# Altium PCB PCB4191.PcbDoc (part 3 of 4) (continued)
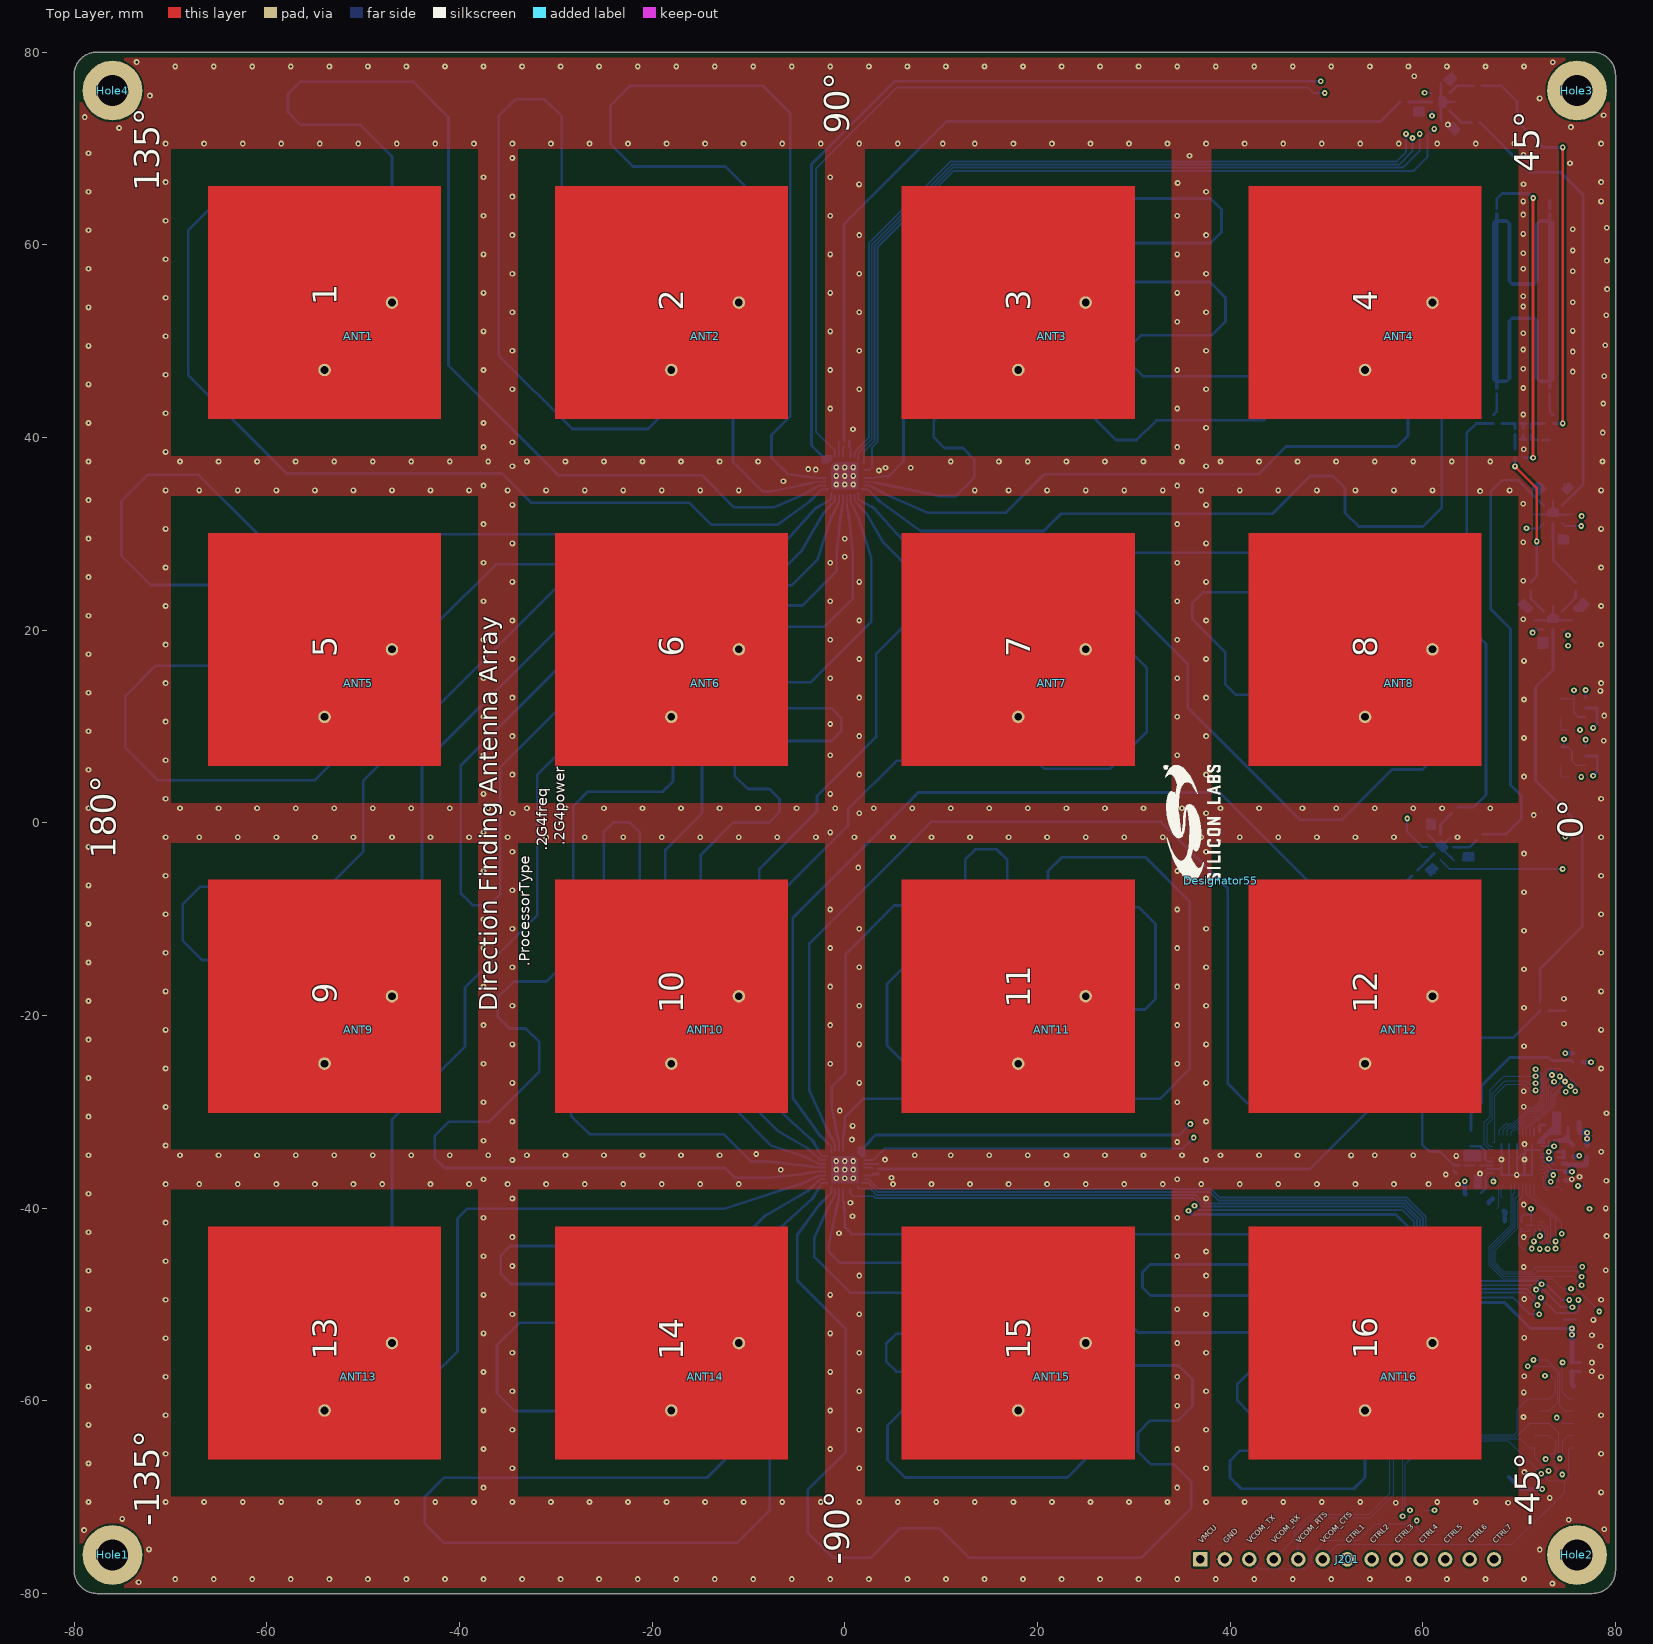
[diagram p0: Top Layer view]
## Nets (pads, with @x,y where several pads share a name; then routed paths per layer and width w, separated by ;. In a path a pad name is that pad's centre, name@x,y a point inside that pad or via, vN(x,y) a via of type N, cw(c..) or ccw(c..) an arc to the next point about the centre after c; other vN are vias at no path point) (continued)
-45.792,-17.476 -9.792,-17.476 26.208,-17.476 64.987,-17.42 0.812,-17.382 -43.163,-17.357 -40.137,-17.349 53.965,-17.322 72.908,-17.294 57.238,-17.288 59.338,-17.288 -25.513,-17.246 3.663,-17.231 -8.163,-17.195 -33.554,-17.187 -31.454,-17.187 29.012,-17.132 60.009,-17.137 40.462,-17.051 -15.706,-17.011 -38.297,-16.979 -20.563,-16.906 31.538,-16.866 36.512,-16.87 16.163,-16.848 45.627,-16.812 47.727,-16.812 49.827,-16.812 51.927,-16.812 -35.692,-16.809 61.484,-16.787 27.588,-16.741 -47.082,-16.68 -11.082,-16.68 24.918,-16.68 -9.587,-16.623 11.788,-16.587 55.255,-16.597 -0.612,-16.457 62.945,-16.477 -21.987,-16.365 -26.627,-16.345 -11.689,-16.304 -18.472,-16.26 -6.413,-16.169 -29.633,-16.141 -13.877,-16.13 32.962,-16.11 35.088,-16.109 22.171,-16.078 -4.687,-16.037 -2.962,-16.044 71.483,-15.975 -48.059,-15.934 6.229,-15.903 -50.157,-15.85 13.212,-15.807 43.781,-15.813 -33.871,-15.763 -31.771,-15.763 -38.949,-15.617 39.038,-15.542 64.032,-15.55 -24.313,-15.523 -17.191,-15.526 -36.812,-15.495 17.587,-15.478 -44.587,-15.398 4.708,-15.409 47.238,-15.388 49.338,-15.388 51.438,-15.388 53.538,-15.388 0.812,-15.282 -43.163,-15.257 73.127,-15.206 45.15,-15.167 -8.163,-15.095 29.012,-15.032 61.46,-14.992 -64.661,-14.962 -62.561,-14.962 -60.461,-14.962 -58.361,-14.962 -56.261,-14.962 -54.161,-14.962 -52.061,-14.962 -66.76,-14.95 40.462,-14.951 -20.563,-14.806 -13.174,-14.819 23.537,-14.789 31.538,-14.766 36.512,-14.77 16.163,-14.748 -28.148,-14.656 -15.362,-14.645 27.588,-14.641 -30.057,-14.549 -9.587,-14.523 11.788,-14.487 -49.544,-14.449 -25.737,-14.443 7.714,-14.418 -19.337,-14.347 -0.612,-14.357 -21.987,-14.265 -37.464,-14.132 -6.413,-14.069 62.547,-14.065 72.284,-14.034 -35.327,-14.01 32.962,-14.01 35.088,-14.009 22.113,-13.979 -2.962,-13.944 -4.687,-13.937 6.193,-13.924 42.913,-13.901 74.612,-13.721 13.212,-13.707 -68.364,-13.594 -66.136,-13.538 -64.036,-13.538 -61.936,-13.538 -59.836,-13.538 -57.736,-13.538 -55.636,-13.538 -53.536,-13.538 -51.436,-13.538 -17.913,-13.554 59.975,-13.507 39.038,-13.442 -24.313,-13.423 17.587,-13.378 -44.587,-13.298 1.432,-13.275 44.337,-13.231 -43.163,-13.157 -14.238,-13.008 -8.163,-12.995 28.733,-12.951 9.199,-12.934 24.457,-12.901 40.462,-12.851 -28.887,-12.805 26.555,-12.812 -20.563,-12.706 -27.463,-12.671 36.512,-12.67 -35.98,-12.647 16.163,-12.648 31.538,-12.666 61.062,-12.58 -15.662,-12.567 73.769,-12.549 -33.842,-12.525 0.25,-12.443 -9.587,-12.423 7.678,-12.44 11.788,-12.387 -25.737,-12.343 -19.337,-12.247 76.097,-12.236 -67.749,-12.193 46.174,-12.212 -21.987,-12.165 23.175,-12.167 58.49,-12.022 -2.15,-12.008 -6.413,-11.969 32.962,-11.91 35.088,-11.909 43.564,-11.904 -4.018,-11.861 -4.687,-11.837 48.241,-11.842 -69.437,-11.789 2.917,-11.79 13.212,-11.607 27.223,-11.492 -17.913,-11.454 25.125,-11.388 39.038,-11.342 -24.313,-11.323 17.587,-11.278 -44.587,-11.198 59.577,-11.095 -43.163,-11.057 75.254,-11.064 -32.357,-11.04 -14.238,-10.908 -8.163,-10.895 9.462,-10.85 45.342,-10.788 40.462,-10.751 -28.887,-10.705 47.437,-10.631 -20.563,-10.606 -27.463,-10.571 31.32,-10.577 36.512,-10.57 16.163,-10.548 57.005,-10.537 -0.665,-10.523 -15.662,-10.467 77.253,-10.483 -2.533,-10.376 8.038,-10.371 49.726,-10.357 -9.587,-10.323 4.402,-10.305 11.788,-10.287 -25.737,-10.243 -19.337,-10.147 -68.013,-10.11 -21.987,-10.065 -6.413,-9.869 32.599,-9.842 35.088,-9.809 -4.292,-9.774 -69.437,-9.689 -33.01,-9.677 58.092,-9.61 13.212,-9.507 3.22,-9.473 23.225,-9.487 25.325,-9.487 27.425,-9.487 29.525,-9.487 -17.913,-9.354 -31.213,-9.279 6.239,-9.287 39.038,-9.242 -38.776,-9.237 -24.313,-9.223 -36.677,-9.206 17.587,-9.178 -44.587,-9.098 0.82,-9.038 75.829,-9.044 -43.163,-8.957 8.63,-8.922 48.613,-8.891 -14.238,-8.808 -8.163,-8.795 40.462,-8.651 -28.887,-8.605 56.388,-8.53 -20.563,-8.506 -27.463,-8.471 21.397,-8.454 36.512,-8.47 16.163,-8.448 77.253,-8.383 -15.662,-8.367 31.114,-8.357 -2.807,-8.289 50.037,-8.28 -9.587,-8.223 11.788,-8.187 -25.737,-8.143 -4.656,-8.124 -67.357,-8.115 24.835,-8.063 26.935,-8.063 29.035,-8.063 -19.337,-8.047 4.721,-8.004 -21.987,-7.965 -40.355,-7.852 6.817,-7.863 -37.392,-7.838 22.752,-7.795 34.432,-7.814 -6.131,-7.788 -35.161,-7.752 -68.913,-7.656 -32.637,-7.611 2.304,-7.553 57.862,-7.523 0.437,-7.406 13.212,-7.407 -65.407,-7.337 -63.307,-7.337 -61.207,-7.337 -59.107,-7.337 -57.007,-7.337 -54.907,-7.337 -17.913,-7.254 -31.213,-7.179 39.038,-7.142 -24.313,-7.123 17.587,-7.078 -44.587,-6.998 75.829,-6.944 47.925,-6.907 -52.855,-6.889 -43.163,-6.857 -1.322,-6.804 -14.238,-6.708 35.352,-6.72 -8.163,-6.695 -39.138,-6.67 -6.983,-6.625 -3.171,-6.639 20.388,-6.613 40.396,-6.553 -28.887,-6.505 56.881,-6.489 -20.563,-6.406 -27.463,-6.371 16.163,-6.348 32.947,-6.329 -4.646,-6.303 49.334,-6.301 77.253,-6.283 -15.662,-6.267 -67.428,-6.171 -9.587,-6.123 59.45,-6.1 3.789,-6.068 11.788,-6.087 -25.737,-6.043 -36.462,-5.955 -19.337,-5.947 1.922,-5.921 21.812,-5.917 -65.344,-5.913 -63.244,-5.913 -61.144,-5.913 -59.044,-5.913 -56.944,-5.913 -54.844,-5.913 -21.987,-5.865 -40.562,-5.762 -35.038,-5.655 37.564,-5.646 -32.637,-5.511 65.581,-5.469 68.681,-5.469 71.781,-5.469 46.44,-5.422 -51.37,-5.404 62.482,-5.384 0.163,-5.319 13.212,-5.307 33.867,-5.235 -17.913,-5.154 -1.686,-5.154 -5.498,-5.14 -31.213,-5.079 -24.313,-5.023 38.956,-5.024 -52.962,-4.981 17.587,-4.978 58.2,-4.925 -44.587,-4.898 31.462,-4.844 75.829,-4.844 -3.161,-4.819 47.849,-4.816 -43.163,-4.757 -7.712,-4.644 -14.238,-4.608 -39.138,-4.57 5.274,-4.583 20.595,-4.523 3.407,-4.436 -28.887,-4.405 -20.563,-4.306 -27.463,-4.271 23.137,-4.287 25.237,-4.287 27.337,-4.287 29.437,-4.287 16.163,-4.248 -15.662,-4.167 36.079,-4.161 77.253,-4.183 68.417,-4.131 71.517,-4.131 -9.151,-4.069 11.788,-3.987 -25.737,-3.943 44.955,-3.937 -49.885,-3.919 -36.462,-3.855 -19.337,-3.847 1.648,-3.835 74.701,-3.843 -21.987,-3.765 32.382,-3.75 -40.562,-3.662 -4.013,-3.656 -0.201,-3.669 -35.038,-3.555 59.851,-3.519 -51.477,-3.496 14.215,-3.462 -32.637,-3.411 -1.676,-3.334 46.364,-3.332 -6.227,-3.159 6.759,-3.098 -17.848,-3.055 22.087,-3.044 -31.213,-2.979 4.892,-2.951 16.996,-2.963 -24.313,-2.923 24.179,-2.863 26.279,-2.863 28.379,-2.863 30.479,-2.863 -44.587,-2.798 75.829,-2.744 -13.332,-2.714 34.594,-2.676 -43.163,-2.657 -7.667,-2.584 65.925,-2.55 -39.138,-2.47 43.47,-2.452 3.133,-2.35 -28.887,-2.305 13.026,-2.291 -20.563,-2.206 -14.859,-2.227 1.284,-2.184 -27.463,-2.171 -2.528,-2.171 77.253,-2.083 35.986,-2.054 15.111,-2.038 -49.263,-1.913 67.924,-1.901 -25.737,-1.843 -0.191,-1.849 -36.462,-1.755 -4.742,-1.674 -21.987,-1.665 8.244,-1.613 -16.363,-1.57 -40.562,-1.562 6.376,-1.466 64.875,-1.375 -32.637,-1.311 -11.847,-1.229 -6.182,-1.099 69.817,-0.991 41.985,-0.968 -31.213,-0.879 4.618,-0.865 -23.926,-0.859 -13.374,-0.742 -44.587,-0.698 -9.818,-0.687 2.769,-0.699 -7.718,-0.661 75.715,-0.647 10.09,-0.612 12.19,-0.612 14.29,-0.612 16.39,-0.612 18.49,-0.612 20.59,-0.612 22.69,-0.612 24.79,-0.612 26.89,-0.612 28.99,-0.612 31.09,-0.612 -43.163,-0.557 34.501,-0.569 66.839,-0.477 48.098,-0.387 50.198,-0.387 -39.138,-0.37 -17.18,-0.372 43.394,-0.362 -28.887,-0.205 -21.094,-0.174 -3.257,-0.189 1.062,-0.164 -14.878,-0.085 -27.463,-0.071 52.265,-0.017 7.861,0.019 77.064,0.008 68.866,0.073 -24.97,0.112 -49.263,0.187 -36.462,0.345 -4.697,0.386 46.149,0.394 -40.562,0.538 40.5,0.517 -50.687,0.55 6.103,0.62 -11.834,0.686 -9.735,0.737 -22.974,0.762 -6.166,0.754 -32.637,0.789 4.254,0.786 9.806,0.812 11.906,0.812 14.006,0.812 16.106,0.812 18.206,0.812 20.306,0.812 22.406,0.812 24.506,0.812 26.606,0.812 28.706,0.812 30.806,0.812 32.906,0.796 74.23,0.837 65.215,0.928 50.09,1.037 -15.695,1.112 41.909,1.123 -7.686,1.197 -31.213,1.221 -0.362,1.301 53.75,1.468 75.584,1.498 -43.163,1.543 -2.163,1.603 -39.138,1.73 52.053,1.785 1.752,1.82 -14.113,1.87 44.664,1.879 -26.951,1.966 69.513,2.071 7.588,2.105 -3.587,2.169 66.873,2.216 -49.263,2.287 5.739,2.271 46.289,2.268 72.745,2.322 64.554,2.352 9.661,2.438 11.761,2.438 13.861,2.438 15.961,2.438 18.061,2.438 20.161,2.438 22.261,2.438 24.361,2.438 26.461,2.438 28.561,2.438 30.661,2.438 32.761,2.438 34.861,2.438 36.961,2.438 -36.462,2.445 -24.924,2.513 -22.824,2.513 -20.724,2.513 -18.625,2.58 40.424,2.608 -40.562,2.638 -50.687,2.65 -35.038,2.745 -9.056,2.788 -6.188,2.854 -32.637,2.889 70.915,2.885 55.235,2.953 0.898,2.981 74.099,2.983 -15.537,3.207 53.538,3.27 3.237,3.305 -31.213,3.321 43.179,3.364 -27.466,3.466 -11.038,3.481 -44.587,3.502 -43.163,3.643 -69.571,3.713 -67.471,3.713 -65.371,3.713 -63.271,3.713 -61.171,3.713 -59.071,3.713 -56.971,3.713 -54.871,3.738 7.244,3.735 44.804,3.753 -71.668,3.814 71.26,3.807 -39.138,3.83 9.34,3.862 11.44,3.862 13.54,3.862 15.64,3.862 17.74,3.862 19.84,3.862 21.94,3.862 24.04,3.862 26.14,3.862 28.24,3.862 30.34,3.862 32.44,3.862 34.54,3.862 36.64,3.862 38.74,3.862 68.398,3.85 -25.419,3.937 -23.319,3.937 -21.219,3.937 -14.113,3.97 -19.121,4.012 65.838,4.015 -2.623,4.034 -17.157,4.082 -7.791,4.21 67.262,4.28 -9.886,4.344 -48.976,4.367 56.72,4.438 2.383,4.465 72.614,4.468 -36.462,4.545 69.812,4.672 -50.567,4.747 -40.562,4.738 55.022,4.755 4.722,4.789 58.786,4.813 41.694,4.849 22.014,4.888 24.114,4.888 26.214,4.888 0.302,4.945 -32.629,4.989 -53.293,5.124 -70.703,5.137 -68.603,5.137 -66.503,5.137 -64.403,5.137 -62.303,5.137 -60.203,5.137 -58.103,5.137 -56.003,5.137 43.319,5.238 -73.18,5.272 -12.137,5.271 -15.537,5.307 -30.553,5.315 19.966,5.352 28.261,5.354 60.809,5.377 -1.138,5.519 -44.587,5.602 6.608,5.713 8.708,5.713 10.808,5.713 -43.15,5.743 -47.491,5.852 70.988,5.89 -38.901,5.917 3.868,5.95 68.388,5.95 -14.113,6.07 -18.936,6.103 65.838,6.115 -17.149,6.182 56.561,6.184 -54.207,6.226 12.847,6.215 58.66,6.237 -49.104,6.253 -10.713,6.274 21.717,6.312 23.817,6.312 25.917,6.312 40.209,6.333 67.262,6.38 -21.016,6.388 1.787,6.43 -72.342,6.45 -35.951,6.582 72.412,6.558 -31.282,6.6 -51.808,6.609 -33.905,6.613 41.834,6.723 -74.664,6.757 -40.056,6.776 69.812,6.772 -29.068,6.799 18.481,6.837 29.746,6.839 62.294,6.862 -23.049,6.916 0.347,7.004 27.899,7.006 5.6,7.137 7.7,7.137 9.8,7.137 60.557,7.139 -41.665,7.228 11.896,7.278 -46.006,7.337 -12.082,7.37 -43.506,7.402 -15.537,7.407 19.925,7.407 -52.722,7.711 -18.586,7.713 -47.619,7.738 14.28,7.75 -9.257,7.788 -7.157,7.788 -5.057,7.788 -2.957,7.788 -20.683,7.812 38.724,7.818 3.272,7.915 -73.827,7.934 70.988,7.99 -0.87,8.023 68.388,8.05 -34.466,8.067 -50.323,8.094 -32.42,8.098 -29.797,8.085 -14.113,8.17 40.349,8.208 65.838,8.215 -38.572,8.261 -27.583,8.284 31.231,8.324 67.262,8.48 29.384,8.491 17.288,8.565 -22.613,8.642 72.412,8.658 -40.18,8.713 -75.387,8.729 63.187,8.762 -24.037,8.769 -44.521,8.822 61.763,8.858 -42.021,8.887 -35.931,8.887 69.812,8.872 -10.651,8.907 12.913,9.115 18.712,9.122 -51.237,9.196 -46.134,9.223 -8.573,9.212 -6.473,9.212 -4.373,9.212 -2.273,9.212 -15.537,9.507 -32.981,9.552 -48.838,9.579 -28.312,9.57 47.003,9.579 -30.935,9.583 38.864,9.693 53.988,9.691 -37.087,9.746 0.337,9.741 49.097,9.739 -26.098,9.769 -17.516,9.763 -54.524,9.792 14.337,9.849 3.962,9.898 17.137,10.009 18.887,10.009 -73.963,10.03 -53.075,10.075 -13.255,10.087 -18.991,10.113 70.988,10.089 68.388,10.15 30.638,10.176 -38.695,10.198 32.062,10.253 -21.309,10.288 -43.036,10.307 65.838,10.315 -40.536,10.372 -34.446,10.371 2.538,10.467 52.763,10.516 55.213,10.516 67.262,10.58 -49.752,10.68 -44.649,10.708 72.412,10.758 35.754,10.788 -23.506,10.801 -75.387,10.829 63.187,10.862 11.924,10.968 61.763,10.958 69.812,10.972 -16.691,10.988 -31.496,11.037 -47.354,11.064 -29.45,11.068 -26.827,11.055 45.523,11.069 -55.32,11.082 9.829,11.113 -14.217,11.14 -11.452,11.163 -9.352,11.163 -7.252,11.163 -5.152,11.163 -3.052,11.163 37.379,11.178 -35.602,11.231 -24.613,11.254 23.029,11.313 50.468,11.329 16.787,11.484 19.237,11.484 48.838,11.495 -52.792,11.524 13.257,11.65 -37.21,11.683 7.809,11.684 -21.614,11.712 -0.23,11.763 20.974,11.744 -41.551,11.792 -39.051,11.857 -32.961,11.856 -18.991,11.863 -55.96,11.953 53.113,11.991 54.863,11.991 3.962,11.998 -73.963,12.13 -48.267,12.165 -43.164,12.193 70.988,12.189 -17.516,12.213 24.9,12.267 68.388,12.25 30.638,12.276 46.887,12.273 -54.082,12.32 18.012,12.309 32.062,12.353 65.838,12.415 -30.011,12.522 -45.869,12.549 -25.342,12.54 -12.661,12.55 9.254,12.537 11.354,12.537 60.393,12.55 -27.965,12.553 2.538,12.567 -10.562,12.587 -8.462,12.587 -6.362,12.587 -4.262,12.587 -2.162,12.587 42.255,12.672 34.888,12.701 67.262,12.68 62.227,12.73 -23.128,12.739 22.372,12.737 40.157,12.748 72.412,12.858 -75.387,12.929 36.312,12.987 69.812,13.072 -35.725,13.167 45.463,13.168 6.343,13.188 19.489,13.229 -40.066,13.277 -55.347,13.354 -37.566,13.342 -31.476,13.341 -57.445,13.438 50.487,13.429 53.288,13.519 49.063,13.583 -46.782,13.65 24.265,13.647 -41.68,13.678 -21.37,13.888 -19.27,13.888 -17.17,13.888 -15.07,13.888 -12.97,13.888 -10.87,13.888 -8.77,13.888 -6.67,13.888 -4.57,13.888 7.637,13.878 -72.901,13.942 -28.526,14.006 -23.858,14.025 13.341,14.024 15.441,14.013 17.541,14.013 20.71,14.022 -44.384,14.034 -26.48,14.037 58.908,14.035 54.712,14.076 3.962,14.098 -32.632,14.2 25.712,14.204 60.742,14.215 40.657,14.25 43.612,14.275 71.03,14.289 38.781,14.334 68.388,14.35 30.638,14.376 46.887,14.373 32.062,14.453 65.838,14.515 -2.575,14.543 -74.198,14.659 -34.24,14.652 2.538,14.667 73.363,14.731 -38.581,14.762 67.262,14.78 -36.081,14.826 -29.991,14.826 -56.832,14.839 -58.93,14.923 36.312,15.087 -45.297,15.135 -40.195,15.163 69.812,15.172 45.463,15.268 6.213,15.284 -22.199,15.312 -20.099,15.312 -17.999,15.312 -15.899,15.312 -13.799,15.312 -11.699,15.312 -9.599,15.312 -7.499,15.312 -5.399,15.312 19.135,15.41 -71.416,15.427 11.789,15.439 14.935,15.437 17.035,15.437 -27.041,15.491 -42.899,15.519 -24.995,15.522 57.423,15.52 50.487,15.529 -69.322,15.588 -67.222,15.588 -65.122,15.588 -63.022,15.588 -60.922,15.588 53.288,15.619 -31.147,15.685 42.188,15.688 49.063,15.683 59.258,15.7 24.288,15.747 -3.352,15.781 72.452,15.835 7.637,15.978 -1.09,16.027 -72.713,16.144 -32.755,16.137 54.712,16.176 3.962,16.198 -37.096,16.247 -34.596,16.311 -28.507,16.311 25.712,16.304 40.187,16.297 -58.317,16.324 30.031,16.386 43.612,16.375 38.763,16.434 68.388,16.45 46.887,16.473 31.877,16.544 65.838,16.615 -43.812,16.62 -38.71,16.648 74.213,16.651 -47.012,16.691 60.988,16.691 -10.516,16.763 2.538,16.767 34.281,16.812 13.373,16.84 67.262,16.88 -25.556,16.976 -70.801,17.012 -68.701,17.012 -66.601,17.012 -64.501,17.012 -62.401,17.012 -60.301,17.012 -23.51,17.007 24.137,17.009 25.887,17.009 15.461,17.063 17.561,17.063 19.661,17.063 -11.991,17.113 -29.662,17.17 35.952,17.155 57.773,17.185 -41.663,17.217 -1.867,17.266 21.752,17.254 69.812,17.272 -21.429,17.288 -19.329,17.288 -17.229,17.288 -15.129,17.288 -13.029,17.288 56.288,17.286 6.571,17.353 45.463,17.368 -48.237,17.516 -45.787,17.516 0.395,17.512 12.042,17.524 59.763,17.516 62.213,17.516 -31.27,17.622 50.487,17.629 8.893,17.661 -35.611,17.731 53.288,17.719 49.063,17.783 -33.111,17.796 -27.022,17.796 42.188,17.788 28.546,17.871 -9.691,17.988 30.397,18.035 4.856,18.099 -37.225,18.133 54.712,18.276 32.796,18.296 37.862,18.331 39.84,18.368 -24.071,18.461 13.908,18.487 16.008,18.487 18.108,18.487 20.208,18.487 23.787,18.484 26.237,18.484 68.388,18.55 -43.087,18.591 46.831,18.572 -28.177,18.655 3.417,18.674 65.441,18.677 -21.986,18.712 -19.886,18.712 -17.786,18.712 -15.686,18.712 -13.586,18.712 -0.382,18.751 74.213,18.751 8.056,18.838 -11.991,18.863 67.123,18.975 -47.887,18.991 -46.137,18.991 1.88,18.997 60.113,18.991 61.863,18.991 22.787,19.081 -29.786,19.107 10.378,19.146 -34.126,19.216 -10.516,19.213 51.838,19.238 -31.626,19.281 -25.537,19.281 25.012,19.309 57.712,19.284 -41.663,19.317 27.062,19.356 69.812,19.372 56.288,19.386 28.912,19.52 6.341,19.584 -35.74,19.618 -23.467,19.638 -21.367,19.638 -19.267,19.638 -17.167,19.638 -15.067,19.638 -12.967,19.638 -8.767,19.638 -6.667,19.638 -4.567,19.638 -2.467,19.638 43.181,19.638 31.311,19.781 49.739,19.771 36.377,19.816 38.355,19.853 12.343,19.888 14.443,19.888 16.543,19.888 18.643,19.888 45.256,19.961 53.663,20.095 -26.692,20.14 32.982,20.125 4.902,20.159 63.974,20.18 1.103,20.236 60.288,20.225 9.541,20.323 65.655,20.477 3.342,20.504 67.687,20.53 -28.301,20.592 -47.712,20.668 51.641,20.662 -43.083,20.691 -32.641,20.701 -0.689,20.754 -30.141,20.766 61.712,20.782 25.577,20.841 21.865,20.967 27.428,21.005 -24.805,21.062 -22.705,21.062 -20.605,21.062 -18.505,21.062 -16.405,21.062 -14.305,21.062 -12.205,21.062 -10.105,21.062 -8.005,21.062 -5.905,21.062 -3.805,21.062 7.826,21.068 55.191,21.177 -46.288,21.225 -40.803,21.232 29.826,21.266 68.947,21.286 11.393,21.312 13.493,21.312 15.593,21.312 17.693,21.312 19.793,21.312 57.092,21.29 36.87,21.337 31.497,21.61 6.386,21.644 -1.793,21.664 35.363,21.655 -26.61,21.838 -24.51,21.838 -22.41,21.838 -20.31,21.838 -18.21,21.838 -16.11,21.838 -14.01,21.838 -11.91,21.838 -9.81,21.838 -7.71,21.838 -5.61,21.838 2.038,22.116 66.344,22.144 -31.156,22.186 -28.656,22.251 0.796,22.239 63.838,22.275 -41.742,22.308 24.092,22.326 60.288,22.325 -3.577,22.365 -48.874,22.417 9.396,22.463 11.496,22.463 13.596,22.463 15.696,22.463 17.796,22.463 19.896,22.463 21.996,22.463 25.943,22.49 65.262,22.54 -32.77,22.587 3.462,22.601 53.706,22.662 -39.318,22.717 28.341,22.751 55.607,22.775 61.712,22.882 -47.43,22.987 67.762,23.02 30.012,23.095 7.871,23.129 -0.309,23.149 37.815,23.213 39.915,23.213 42.015,23.213 44.115,23.213 46.215,23.213 -26.816,23.262 -24.716,23.262 -22.616,23.262 -20.516,23.262 -18.416,23.262 -16.316,23.262 -14.216,23.262 -12.116,23.262 -10.016,23.262 -7.916,23.262 -5.816,23.262 72.2,23.625 48.271,23.639 -29.672,23.671 35.922,23.679 -40.257,23.793 -2.092,23.85 24.357,23.866 -50.359,23.902 9.83,23.887 11.93,23.887 14.03,23.887 16.13,23.887 18.23,23.887 20.33,23.887 22.43,23.887 -27.589,23.938 -25.489,23.938 -23.389,23.938 -21.289,23.938 -19.189,23.938 -17.089,23.938 -14.989,23.938 -12.889,23.938 -10.789,23.938 -8.689,23.938 -6.589,23.938 -71.358,23.963 -69.258,23.963 -67.158,23.963 -65.058,23.963 -62.958,23.963 -60.858,23.963 -58.758,23.963 -56.658,23.963 -54.558,23.963 -52.458,23.963 70.325,24.025 -31.285,24.072 -3.88,24.077 76.7,24.175 -37.833,24.202 2.038,24.216 26.857,24.236 74.975,24.225 66.338,24.244 63.838,24.375 60.288,24.425 54.337,24.448 -48.915,24.472 28.527,24.58 -4.593,24.593 52.913,24.606 39.89,24.637 41.99,24.637 44.09,24.637 46.19,24.637 65.262,24.64 3.462,24.701 -73.252,24.87 8.078,24.94 10.178,24.94 12.278,24.94 14.378,24.94 16.478,24.94 18.578,24.94 20.678,24.94 22.778,24.94 24.878,24.94 61.712,24.982 67.762,25.12 0.124,25.204 -38.772,25.278 -0.607,25.335 -29.628,25.362 -27.528,25.362 -25.428,25.362 -23.328,25.362 -21.228,25.362 -19.128,25.362 -17.028,25.362 -14.928,25.362 -12.828,25.362 -10.728,25.362 -8.628,25.362 -6.528,25.362 -69.705,25.387 -67.605,25.387 -65.505,25.387 -63.405,25.387 -61.305,25.387 -59.205,25.387 -57.105,25.387 -55.005,25.387 -52.905,25.387 -50.805,25.387 -71.804,25.436 49.362,25.433 -2.395,25.562 -36.348,25.687 47.938,25.802 72.525,25.786 6.195,25.869 73.876,25.909 27.042,26.065 -3.108,26.078 -34.292,26.113 -32.192,26.113 -30.092,26.113 -27.992,26.113 -25.892,26.113 -23.792,26.113 -21.692,26.113 -19.592,26.113 -17.492,26.113 -15.392,26.113 -13.292,26.113 -11.192,26.113 -9.092,26.113 -6.992,26.113 75.676,26.123 59.213,26.229 2.038,26.316 66.338,26.344 -74.737,26.355 8.164,26.365 10.264,26.365 12.364,26.365 14.464,26.365 16.564,26.365 18.664,26.365 20.764,26.365 22.864,26.365 24.964,26.365 55.126,26.394 71.101,26.393 -4.739,26.462 63.838,26.475 53.373,26.655 65.262,26.74 3.462,26.801 57.189,26.788 60.659,26.799 -73.289,26.921 67.762,27.22 8.696,27.328 10.796,27.328 12.896,27.328 14.996,27.328 17.096,27.328 19.196,27.328 21.296,27.328 23.396,27.328 25.496,27.328 27.596,27.328 29.696,27.328 31.796,27.328 33.896,27.328 35.996,27.328 38.096,27.328 40.196,27.328 42.296,27.328 44.396,27.328 46.496,27.328 4.71,27.354 -35.336,27.537 -33.236,27.537 -31.136,27.537 -29.036,27.537 -26.936,27.537 -24.836,27.537 -22.736,27.537 -20.636,27.537 -18.536,27.537 -16.436,27.537 -14.336,27.537 -12.236,27.537 -10.136,27.537 -8.036,27.537 49.237,27.53 74.237,27.652 72.812,27.72 -5.948,27.765 6.641,27.76 54.885,28.113 -75.787,28.173 -14.75,28.163 -12.65,28.163 -10.55,28.163 -8.45,28.163 59.082,28.186 56.982,28.212 66.338,28.444 71.101,28.493 63.838,28.575 -74.363,28.726 9.73,28.753 11.83,28.753 13.93,28.753 16.03,28.753 18.13,28.753 20.23,28.753 22.33,28.753 24.43,28.753 26.53,28.753 28.63,28.753 30.73,28.753 32.83,28.753 34.93,28.753 39.13,28.753 41.23,28.753 43.33,28.753 45.43,28.753 47.53,28.753 7.63,28.785 -16.734,28.852 65.262,28.84 -60.798,29.238 -58.698,29.238 -56.598,29.238 -54.498,29.238 -52.398,29.238 -50.298,29.238 -48.198,29.238 -46.098,29.238 -43.998,29.238 -41.898,29.238 -39.798,29.238 -37.698,29.238 -35.598,29.238 -33.498,29.238 -31.398,29.238 -29.298,29.238 -27.198,29.238 -25.098,29.238 -22.998,29.238 -20.898,29.238 -18.798,29.238 67.762,29.32 -13.385,29.587 -11.285,29.587 -9.185,29.587 -7.085,29.587 8.285,29.578 10.385,29.578 12.485,29.578 14.585,29.578 16.685,29.578 18.785,29.578 -15.485,29.617 20.885,29.629 72.788,29.819 71.15,29.85 53.53,30.038 55.63,30.038 57.73,30.038 59.83,30.038 -13.759,30.214 -11.659,30.214 -9.559,30.214 -7.459,30.214 -75.787,30.273 -62.468,30.511 66.338,30.544 -59.306,30.662 -57.206,30.662 -55.106,30.662 -53.006,30.662 -50.906,30.662 -48.806,30.662 -46.706,30.662 -44.606,30.662 -42.506,30.662 -40.406,30.662 -38.306,30.662 -36.206,30.662 -34.106,30.662 -32.006,30.662 -29.906,30.662 -27.806,30.662 -25.706,30.662 -23.606,30.662 -21.506,30.662 -19.406,30.662 -17.306,30.662 63.838,30.675 -74.363,30.826 65.262,30.94 18.119,31.003 20.219,31.003 22.424,31.058 51.826,31.266 61.539,31.257 -61.291,31.348 24.502,31.363 26.602,31.363 28.702,31.363 30.802,31.363 32.902,31.363 37.102,31.363 39.202,31.363 41.302,31.363 43.402,31.363 67.762,31.42 9.839,31.453 11.939,31.453 14.039,31.453 16.139,31.453 55.135,31.462 57.235,31.462 59.335,31.462 -15.425,31.493 -11.536,31.639 -9.436,31.639 -13.635,31.717 7.762,31.764 -63.953,31.996 53.106,32.002 45.379,32.071 -75.787,32.373 21.77,32.418 17.985,32.453 -31.961,32.513 -29.861,32.513 -27.761,32.513 -25.661,32.513 -23.561,32.513 -21.461,32.513 -19.361,32.513 -17.261,32.513 66.338,32.644 61.004,32.737 23.838,32.787 25.938,32.787 28.038,32.787 30.138,32.787 32.238,32.787 34.338,32.787 36.438,32.787 38.538,32.787 40.638,32.787 42.738,32.787 63.838,32.775 -62.776,32.833 12.377,32.878 14.477,32.878 -74.363,32.926 62.662,33.032 65.262,33.04 16.57,33.052 -15.12,33.202 10.353,33.203 75.734,33.206 51.213,33.274 -13.124,33.363 44.733,33.441 -65.438,33.481 -33.829,33.472 -10.201,33.458 8.276,33.513 67.762,33.52 46.864,33.556 12.381,33.748 -31.787,33.937 -29.687,33.937 -27.587,33.937 -25.487,33.937 -21.287,33.937 -17.087,33.937 19.47,33.938 -64.261,34.318 -75.118,34.364 -12.101,34.354 -72.97,34.498 18.055,34.537 -9.81,34.679 77.206,34.704 63.838,34.875 8.75,34.9 11.325,34.9 46.218,34.926 48.349,35.041 62.662,35.132 -33.498,35.155 65.262,35.14 13.866,35.233 50.44,35.227 -7.575,35.25 75.818,35.304 6.7,35.325 -29.245,35.363 -27.145,35.363 -25.045,35.363 -22.945,35.363 -20.845,35.363 -18.745,35.363 -16.645,35.363 -71.076,35.406 -68.976,35.406 20.955,35.423 23.055,35.463 25.155,35.463 27.255,35.463 29.355,35.463 31.455,35.463 33.555,35.463 35.655,35.463 37.755,35.463 39.855,35.463 41.955,35.463 -56.232,35.538 -54.132,35.538 -52.032,35.538 -49.932,35.538 -47.832,35.538 -45.732,35.538 -43.632,35.538 -41.532,35.538 -39.432,35.538 -58.327,35.678 -65.746,35.803 -13.586,35.839 -73.634,35.849 -9.052,35.936 51.737,35.946 19.54,36.022 -11.295,36.164 43.931,36.174 67.964,36.2 5.806,36.237 70.036,36.241 -31.066,36.409 47.703,36.411 49.782,36.712 -28.059,36.787 -25.959,36.787 -23.859,36.787 -21.759,36.787 -19.659,36.787 -17.559,36.787 -15.459,36.787 77.362,36.798 -71.777,36.83 -69.677,36.83 -67.577,36.83 21.454,36.887 23.554,36.887 25.654,36.887 27.754,36.887 29.854,36.887 31.954,36.887 34.054,36.887 36.154,36.887 38.254,36.887 40.354,36.887 42.454,36.887 12.713,36.919 61.238,36.924 -55.958,36.962 -53.858,36.962 -51.758,36.962 -49.658,36.962 -47.558,36.962 -45.458,36.962 -43.358,36.962 -39.158,36.962 63.838,36.975 -5.729,37.004 -59.829,37.146 -7.903,37.163 71.144,37.188 65.262,37.24 14.137,37.316 -58.021,37.353 75.938,37.401 -30.062,37.419 -10.537,37.421 45.416,37.659 -12.312,38.001 6.812,38.08 5.388,38.129 11.039,38.188 44.024,38.281 47.403,38.338 49.503,38.338 51.603,38.338 53.703,38.338 55.803,38.338 -4.163,38.49 57.886,38.604 -61.314,38.631 -6.888,38.756 -59.506,38.838 -31.547,38.904 77.362,38.898 28.266,39.013 30.366,39.026 61.238,39.024 63.838,39.075 9.146,39.097 13.047,39.11 -8.312,39.223 4.025,39.309 62.662,39.332 65.262,39.34 -10.888,39.491 75.938,39.501 11.008,39.612 45.563,39.71 47.662,39.762 49.762,39.762 51.862,39.762 53.962,39.762 56.062,39.762 -12.312,40.101 -62.799,40.116 -28.258,40.163 -26.158,40.163 -24.058,40.163 -21.958,40.163 6.812,40.18 5.388,40.229 26.59,40.278 59.162,40.271 -60.991,40.323 -33.032,40.389 -1.639,40.39 31.967,40.385 -19.874,40.419 68.3,40.425 30.037,40.47 -4.259,40.553 73.15,40.575 -6.129,40.714 66.83,40.738 -35.521,40.863 27.982,40.9 77.362,40.998 57.738,41.028 75.3,41.05 33.955,41.063 36.055,41.063 38.155,41.063 40.255,41.063 42.355,41.063 8.513,41.099 61.238,41.124 64.231,41.138 -7.644,41.214 62.662,41.432 9.971,41.438 -29.891,41.484 -64.284,41.601 -26.663,41.587 -24.563,41.587 -22.463,41.587 -10.888,41.591 75.938,41.601 44.368,41.661 -62.476,41.808 -34.517,41.874 -18.389,41.904 -20.39,41.918 31.522,41.955 25.363,41.982 11.976,42.063 14.076,42.063 16.176,42.063 18.276,42.063 66.064,42.162 -12.312,42.201 -0.787,42.217 20.371,42.2 -28.653,42.26 6.812,42.28 5.388,42.329 53.996,42.338 56.096,42.338 -37.006,42.348 51.896,42.368 58.996,42.365 72.4,42.35 4.069,42.408 -4.963,42.46 33.554,42.487 35.653,42.487 37.753,42.487 39.853,42.487 41.953,42.487 68.329,42.492 26.787,42.628 -6.387,42.896 -31.376,42.968 9.48,42.963 65,43 -65.768,43.086 77.362,43.098 43.919,43.226 61.238,43.224 73.898,43.227 -63.961,43.293 -36.002,43.359 45.562,43.388 -18.905,43.403 0.637,43.47 11.514,43.487 13.614,43.487 15.714,43.487 17.814,43.487 62.662,43.532 21.874,43.667 -17.288,43.692 -10.888,43.691 19.902,43.709 75.938,43.701 -30.138,43.745 50.328,43.765 53.213,43.762 55.313,43.762 57.413,43.745 66.775,43.75 72.475,43.775 -38.491,43.833 25.363,44.082 -12.312,44.301 -0.787,44.317 6.812,44.38 5.388,44.429 -32.861,44.453 -67.253,44.571 -4.963,44.56 26.787,44.728 51.359,44.748 -65.445,44.778 -37.487,44.844 -6.387,44.996 65,45 77.362,45.198 -31.623,45.23 21.338,45.242 48.843,45.25 -39.976,45.318 43.57,45.297 61.238,45.324 45.386,45.48 4.069,45.508 0.637,45.57 22.762,45.569 31,45.647 33.1,45.647 35.2,45.647 37.3,45.647 39.4,45.647 41.5,45.647 62.662,45.632 -54.012,45.691 18.484,45.763 -10.888,45.791 53.476,45.792 75.938,45.801 -34.346,45.938 -18.863,46.009 -17.113,46.009 -68.721,46.073 54.925,46.075 17.009,46.113 25.363,46.182 49.874,46.233 -66.93,46.263 13.81,46.288 15.91,46.288 -38.971,46.329 -12.312,46.401 -0.787,46.417 6.812,46.48 -55.237,46.516 -52.787,46.516 5.388,46.529 -4.963,46.66 -33.108,46.715 47.358,46.735 -41.461,46.803 26.787,46.827 29.352,46.95 43.887,46.951 19.309,46.988 65,47 31.291,47.072 33.391,47.072 35.491,47.072 37.591,47.072 39.691,47.072 41.791,47.072 52.68,47.082 -6.387,47.096 11.886,47.131 60.277,47.191 77.362,47.298 21.338,47.342 -35.831,47.423 -19.213,47.484 -16.763,47.484 55.208,47.524 61.896,47.587 0.637,47.67 22.801,47.669 15.353,47.712 13.254,47.779 48.45,47.776 -40.413,47.856 17.009,47.863 -11.018,47.887 52.098,47.894 75.938,47.901 -54.887,47.991 -53.137,47.991 -68.862,48.168 -34.592,48.2 18.484,48.213 24.83,48.213 -13.34,48.232 -67.438,48.301 -17.988,48.309 53.918,48.32 -0.787,48.517 6.812,48.58 -54.712,48.603 4.069,48.608 10.402,48.616 5.388,48.629 58.792,48.676 -4.963,48.76 47.025,48.808 26.211,48.847 -41.837,48.869 30.337,48.943 65,49 28.913,49.003 60.411,49.072 -53.288,49.16 -6.387,49.196 22.317,49.199 11.769,49.264 -36.637,49.362 -12.484,49.391 77.362,49.398 52.837,49.411 -25.377,49.663 -23.277,49.663 -21.177,49.663 -19.077,49.663 -16.977,49.663